# Altium PCB Badge.PcbDoc (continued)
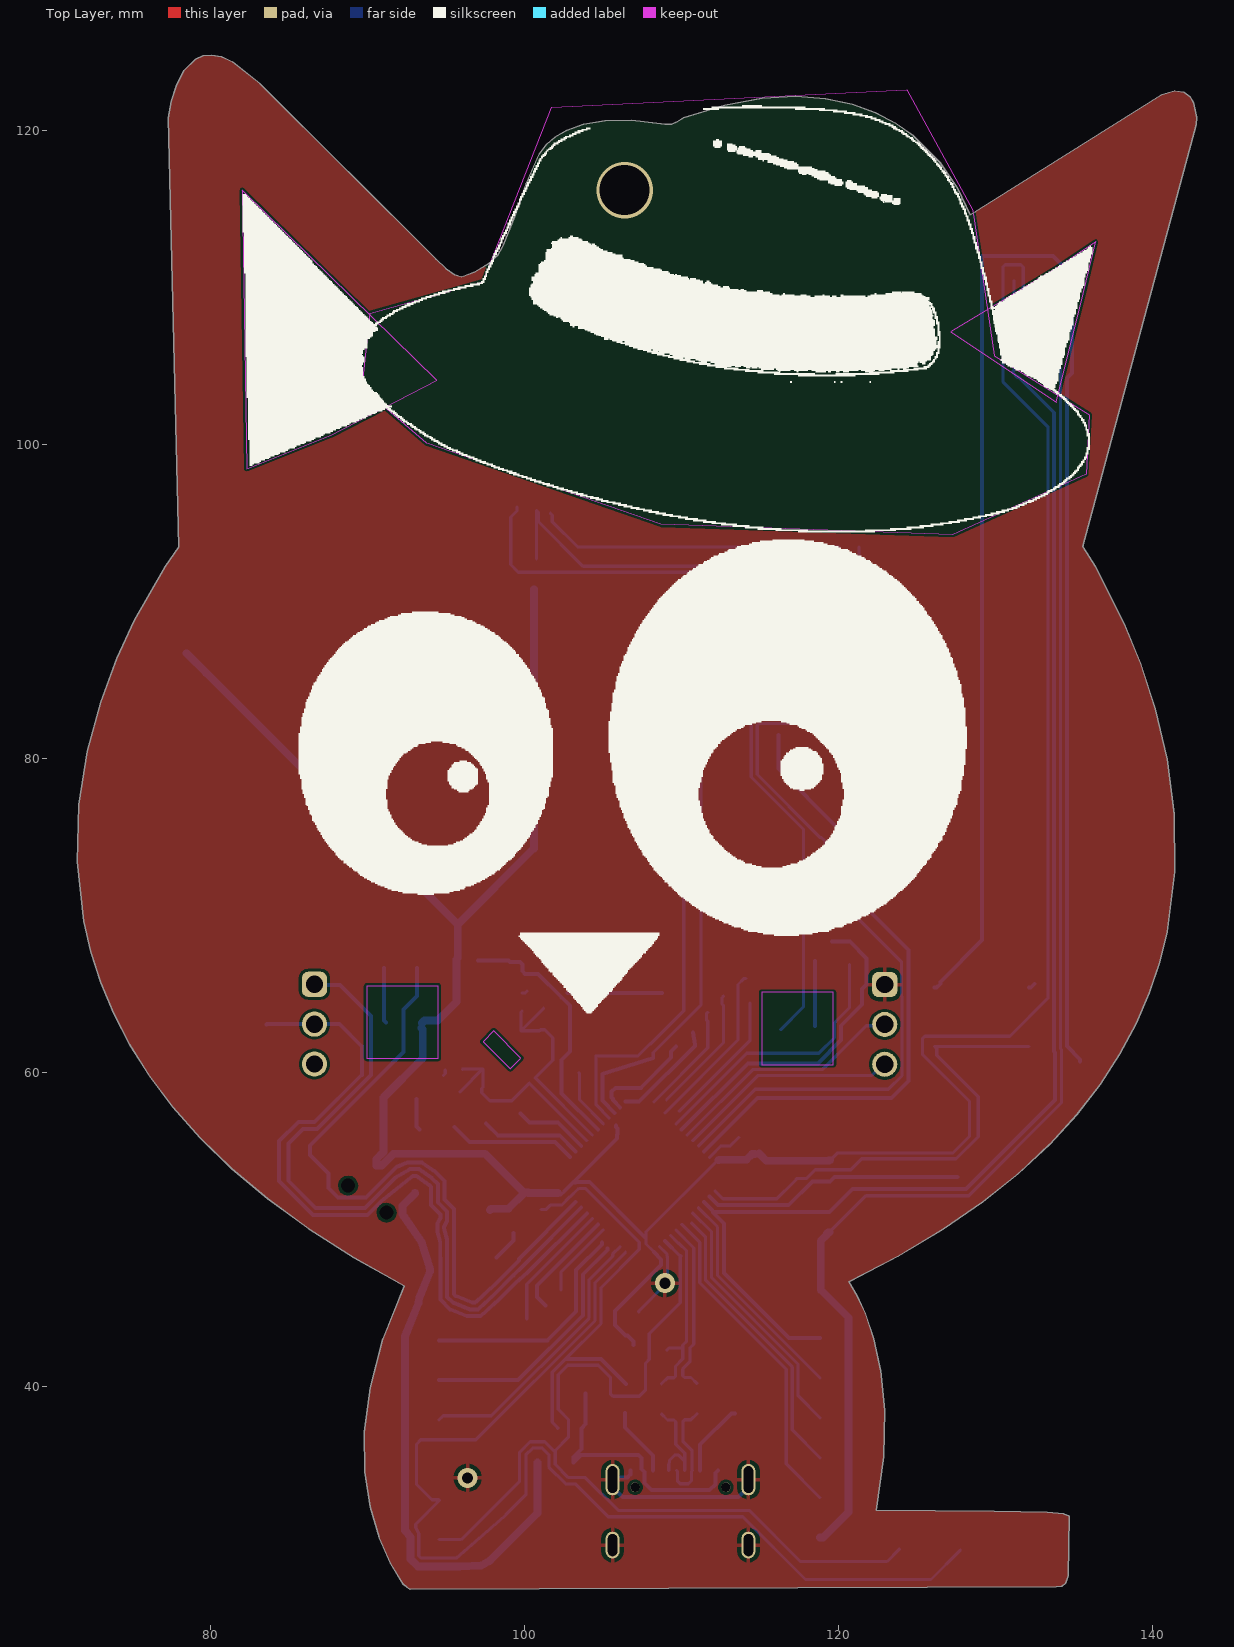
[diagram p0: Top Layer view]
## Part data
C17: library part CMP-2100-03602-3, "CAP CER 0.022UF 50V X7R 0603", Capacitance=22nF, Case Code (Imperial)=0603, Case Code (Metric)=1608, Dielectric=X7R, Dielectric Material=Ceramic, Insulation Resistance=100GR, Max Operating Temperature=125°C, Min Operating Temperature=-55°C, Package Quantity=1, Tolerance=10%, Voltage=50V, Case/Package=0603, Depth=0.8mm, Halogen Free="Halogen Free", Height=0.8mm, Lead Free="Lead Free", Length=1.6mm, Mount="Surface Mount", Number of Pins=2, Packaging="Tape and Reel", Radiation Hardening=No, REACH SVHC="No SVHC", Resistor Type=Ceramic, RoHS Compliant=Yes, Series=CC, Termination=SMD/SMT, Thickness=0.035inch, Voltage Rating=50V, Voltage Rating (DC)=50V, Width=0.031inch
C20: library part CMP-1035-02737-2, "CAP CER 1UF 16V X5R 0603", Capacitance="1 uF", Manufacturer=YAGEO, Manufacturer Part Number=CC0603KRX5R7BB105, Package=CC0603-DA, Temperature="-55°C to +125°C", Temperature Characteristic=X5R, Temperature Coefficient=15%, Temperature Range High=+125°C, Temperature Range Low=-55°C, Tolerance=0.1, Voltage="16 V", Automotive=No, Category=Cap, ComponentLink2Description=Datasheet, ComponentLink2URL=http://www.yageo.com/documents/recent/UPY-GPHC_X7R_6.3V-to-50V_18.pdf, Device Class L1="Passive Components", Device Class L2=Capacitors, Device Class L3="Ceramic Capacitors", Digikey Description="CAP CER 1UF 16V X5R 0603", Footprint Url=http://www.yageo.com/exep/pages/download/literatures/UPY-C_GEN_24.pdf, Height=0.9mm, Lead Free=Yes, Material=Ceramic, Mouser Description="Multilayer Ceramic Capacitors MLCC - SMD/SMT 1.0uF 16V X5R 10%", Octopart=https://octopart.com/cc0603krx5r7bb105-yageo-8376530, RoHS=TRUE, Voltage Rating="16 V"
C21 C26: library part CMP-2000-06100-1, "Chip Capacitor, 20 pF, +/- 5%, 50 V, -55 to 85 degC, 0603 (1608 Metric), RoHS, Tape and Reel", Capacitance=20pF, Case Size/Dimension=0603, Dielectric=C0G, Manufacturer="Samsung Electro-Mechanics", Package Description="2-Pin Surface Mount Device, Body 1.60 x 0.80 mm", Rated Voltage=50V, Tolerance (%)=±5%, Datasheet URL=http://www.samsungsem.com/kr/support/product-search/mlcc/__icsFiles/afieldfile/2016/08/18/S_CL10C200JB8NNNC.pdf, Datasheet Version=06/2016, Manufacturer URL=http://www.samsungsem.com/global/index.jsp, Mounting Technology=SurfaceMount, Package Reference=0603
C22 C23 C24 C25: library part CMP-2000-05002-2, "CAP CER 0.1UF 16V X7R 0603", Capacitance="100 nF", Manufacturer=YAGEO, Manufacturer Part Number=CC0603KRX7R7BB104, Package=CC0603-DA, Temperature="-55°C to +125°C", Temperature Characteristic=X7R, Temperature Coefficient=15%, Temperature Range High=+125°C, Temperature Range Low=-55°C, Tolerance=0.1, Voltage="16 V", Automotive=No, Category=Cap, ComponentLink2Description=Datasheet, ComponentLink2URL=http://www.yageo.com/documents/recent/UPY-GPHC_X7R_6.3V-to-50V_18.pdf, Device Class L1="Passive Components", Device Class L2=Capacitors, Device Class L3="Ceramic Capacitors", Digikey Description="CAP CER 0.1UF 16V X7R 0603", Footprint Url=http://www.yageo.com/exep/pages/download/literatures/UPY-C_GEN_24.pdf, Height=0.9mm, Lead Free=Yes, Material=Ceramic, Mouser Description="Multilayer Ceramic Capacitor, CC Series, 0.1 - F, - 10%, X7R, 16 V, 0603 [1608 Metric]", Octopart=https://octopart.com/cc0603krx7r7bb104-yageo-192941, RoHS=TRUE, Voltage Rating="16 V"
D1 D3 D4 D8: library part CMP-1426-00007-2, Case Code (Imperial)=0805, Case Code (Metric)=2012, Color=Green, Forward Current=100mA, Forward Voltage=3.2V, Max Junction Temperature (Tj)=95°C, Max Operating Temperature=85°C, Max Reverse Voltage (DC)=5V, Min Operating Temperature=-40°C, Power Dissipation=105mW, Test Current=20mA, Case/Package=0805, Dominant Wavelength=525nm, Height=700µm, Length=2mm, Lens Style="Clear, Rectangular", Luminous Intensity=450mcd, Mount="Surface Mount", NexarPartId=29717780, Packaging="Tape and Reel", Peak Wavelength=515nm, REACH SVHC=Unknown, Reverse Voltage=5V, RoHS=Compliant, Viewing Angle=140°, Wavelength=520nm, Width=1.25mm
J1: library part CMP-002-00071-1, "USB Connectors 24 Receptacle 1 8.94*7.3mm RoHS", Case/Package=Package, Availability="Not in stock", Check_prices=https://www.snapeda.com/parts/TYPE-C-31-M-12/HRO+Electronics+Co.%252C+Ltd./view-part/?ref=eda, Component Type=Standard, Design Item ID=TYPE-C-31-M-12, MF="HRO Electronics Co., Ltd.", MP=TYPE-C-31-M-12, Pins=16, Price=None, SnapEDA_Link=https://www.snapeda.com/parts/TYPE-C-31-M-12/HRO+Electronics+Co.%252C+Ltd./view-part/?ref=snap, Source=TYPE-C-31-M-12.SchLib
J2 J3 J4 J5 J6: library part Solder-Bridge-OPEN
LED1 LED2: JLCPCB Part Class="Extended Part", LCSC Part Name=RGB三色, Manufacturer=欧思科光电, Add into BOM=yes, Convert to PCB=yes, Datasheet=https://atta.szlcsc.com/upload/public/pdf/source/20210825/5EE39C41748E35606331A2C5A4C913B6.pdf, Device=SK6812SIDE-A-RVS, Manufacturer Part=SK6812SIDE-A-RVS, Supplier=LCSC, Supplier Footprint=SMD,2x4mm, Supplier Part=C2890037, Symbol=SK6812SIDE-A-RVS
P3 P4: library part CMP-1502-01062-2, Color=Black, Contact Resistance=20mΩ, Current Rating=3A, Max Operating Temperature=105°C, Min Operating Temperature=-40°C, Operating Supply Voltage=250V, Connector Type="Male Pin", Contact Material=Copper, Contact Mating Length=5.9944mm, Contact Plating=Gold, Gender=Male, Height=8.94mm, Lead Free="Lead Free", Lead Pitch=2.54mm, Mount="Through Hole", NexarPartId=32855521, Number of Contacts=3, Number of Pins=3, Number of Positions=3, Number of Rows=1, Orientation=Vertical, Packaging=Bulk, Pitch=2.54mm, REACH SVHC=Unknown, RoHS=Compliant, Termination=Solder, Voltage Rating=250V
R1 R2 R12 R13 R14 R17: library part CMP-2100-03664-2, "RES 10K OHM 1% 1/10W 0603", Case Code (Imperial)=0603, Case Code (Metric)=1608, Max Operating Temperature=155°C, Max Power Dissipation=100mW, Min Operating Temperature=-55°C, Resistance=10kR, Resistance Tolerance=1%, Resistor Type="Thick Film", Temperature Coefficient=100ppm/°C, Voltage Rating=75V, Voltage Rating (DC)=50V, Case/Package=0603, Construction=Rectangular, Depth=0.8mm, Features="Moisture Resistant", Height=0.45mm, Lead Free="Lead Free", Lead Pitch=0.3mm, Length=1.6mm, Military Standard=Not, Number of Pins=2, Number of Terminations=2, Packaging="Tape and Reel", Power Rating=100mW, RoHS Compliant=Yes, Series=RC, Size Code=0603, Termination=SMD/SMT, Tolerance=1%, Weight=7.1E-05oz, Width=0.8mm
R3 R5 R6 R15: library part CMP-03412-031818-1, "RES SMD 470 OHM 1% 1/8W 0805", Manufacturer=Yageo, Manufacturer Part Number=RT0805FRE07470RL, Package=RT0805, Power Rating=0.125W, Resistance=470Ω, Temperature="-55°C to +155°C", Temperature Coefficient="50 ppm/°C", Temperature Range High=+155°C, Temperature Range Low=-55°C, Tolerance=0.0001, Voltage Rating=150V, Automotive=No, Category=Res, ComponentLink2Description=Datasheet, ComponentLink2URL=http://www.yageo.com/documents/recent/PYu-RT_1-to-0.01_RoHS_L_9.pdf, Composition="Thin Film", Device Class L1="Passive Components", Device Class L2=Resistors, Device Class L3="Chip SMD Resistors", Digikey Description="RES SMD 470 OHM 1% 1/8W 0805", Footprint Url=http://www.yageo.com/exep/pages/download/literatures/PYu-R_Mount_10.pdf, Height=0.6mm, Ipc Land Pattern Name=RESC200125X50, Lead Free=Yes, Mouser Description="High Precision-High Stability Chip Resistor Thin Film 0805 470Ohm 1% Paper T/R", Octopart=https://octopart.com/rt0805fre07470rl-yageo-39983328, RoHS=TRUE, Series=RT
R4: library part CMP-03412-015060-1, "RES SMD 100K OHM 1% 1/10W 0603", Manufacturer=Yageo, Manufacturer Part Number=RT0603FRE07100KL, Package=RT0603, Power Rating=0.1W, Resistance=100KΩ, Temperature="-55°C to +155°C", Temperature Coefficient="50 ppm/°C", Temperature Range High=+155°C, Temperature Range Low=-55°C, Tolerance=0.01, Voltage Rating=75V, Automotive=No, Category=Res, ComponentLink2Description=Datasheet, ComponentLink2URL=http://www.yageo.com/documents/recent/PYu-RT_1-to-0.01_RoHS_L_9.pdf, Composition="Thin Film", Device Class L1="Passive Components", Device Class L2=Resistors, Device Class L3="Chip SMD Resistors", Digikey Description="RES SMD 100K OHM 1% 1/10W 0603", Footprint Url=http://www.yageo.com/exep/pages/download/literatures/PYu-R_Mount_10.pdf, Height=0.55mm, Ipc Land Pattern Name=RESC16080X45, Lead Free=Yes, Mouser Description="High Precision-High Stability Chip Resistor Thin Film 0603 100kOhm 1% Paper T/R", Octopart=https://octopart.com/rt0603fre07100kl-yageo-41455806, RoHS=TRUE, Series=RT
R7: library part 0805W8F200JT5E, "Resistor", Manufacturer_Name="UNI-ROYAL(Uniroyal Elec)", Height=0.65mm, Manufacturer_Part_Number=0805W8F1501T5E
R8 R9 R10 R11: "Resistor", Manufacturer_Name="UNI-ROYAL(Uniroyal Elec)", Height=0.65mm
  R8 R10: Datasheet Link=https://datasheet.lcsc.com/lcsc/2206010030_UNI-ROYAL-Uniroyal-Elec-0805W8F5101T5E_C27834.pdf, Manufacturer_Part_Number=0805W8F5101T5E
  R9 R11: Datasheet Link=https://datasheet.lcsc.com/lcsc/2206010200_UNI-ROYAL-Uniroyal-Elec-0805W8F200JT5E_C17544.pdf, Manufacturer_Part_Number=0805W8F200JT5E
R16: library part CMP-062-000000-1, "1k +/-1% 0.1W +/-100ppm/ 0603 Chip Resistor - Surface Mount", Manufacturer_Name="UNI-ROYAL(Uniroyal Elec)", Datasheet Link=https://datasheet.lcsc.com/szlcsc/Uniroyal-Elec-0603WAF1001T5E_C21190.pdf, Design Item ID=0603WAF1001T5E, Height=0.55mm, Manufacturer_Part_Number=0603WAF1001T5E, Source=SamacSys.SchLib
S1 S2 S3 S5: library part CMP-033-000000-1, "SPST 50mA @ 12VDC Top Actuated Round Button 160gf SMD Tactile Switches RoHS", Package=None, Availability=Unavailable, Component Type=Standard, Design Item ID=TS-1187A-B-A-B, MP=TS-1187A-B-A-B, Pin Count=4, Price=None, Source=TS-1187A-B-A-B.SchLib
S4: "Switch", Manufacturer_Name="G-Switch Electronic", Datasheet Link=https://datasheet.lcsc.com/lcsc/2012062037_G-Switch-MK-12C02-G020_C963206.pdf, Height=1.45mm, Manufacturer_Part_Number=MK-12C02-G020
U1: library part CMP-019-00049-1, "Fixed Positive LDO Regulator, 3.3V, 1.3V Dropout, PDSO3", Case/Package=SOP, Pins=3, RoHS Compliant=Yes
U5: library part CMP-0237-00215-3, "ARM Cortex-M3 32-bit MCU, 64 KB Flash, 20 KB Internal RAM, 37 I/Os, 48-pin LQFP, -40 to 85 degC, Tray", I/Os (High Current)=37, Operating Frequency(F) (Processor speed) (MHz)=72, Supply Voltage(Vcc) min (V)=2, A/D Converter="2x12-bit (10 Channel)", ComponentLink1Description="Manufacturer URL", ComponentLink1URL=http://www.st.com/web/en/home.html, ComponentLink2Description=Datasheet, ComponentLink2URL=http://www.st.com/st-web-ui/static/active/en/resource/technical/document/datasheet/CD00161566.pdf, ComponentLink3Description="Package Specification", ComponentLink3URL=http://www.st.com/st-web-ui/static/active/en/resource/technical/document/datasheet/DM00058181.pdf, Core="ARM Cortex-M3", DatasheetVersion="Rev. 16", FLASH Size (Prog) (kB)=64, Internal RAM Size (kB)=20, Mounting Technology="Surface Mount", PackageDescription="48-Pin Low Profile Quad Flat Package, 7 x 7 mm Body, 0.5 mm Pitch", PackageReference=LQFP48, PackageVersion="Rev. 6, 06/2013", Packing=Tray, PartNumber=STM32F103C8T6
Y1: library part CMP-069-000002-4, "8MHz 20pF ±10ppm ±50ppm SMD5032-2P Crystals ROHS", Mfr_Name=YXC, Copyright="Copyright (C) 2024 Ultra Librarian. All rights reserved.", Design Item ID=X50328MSB2GI, Manufacturer_Part_Number=X50328MSB2GI, RefDes=RefDes, Source=X50328MSB2GI.SchLib, Type=DEV

## Free pads (board coordinates)
  rect 3x3 smd far side: 2(78.45,86.675) 2(78.525,82.7)
  rect 1x0.75 smd far side rot 45: 2(97.538,56.733) 2(99.725,57.35) 2(100.275,44.075) 2(101.325,45.125) 2(102.3,46.125) 2(109.55,61.7) 2(110.65,62.8) 2(111.65,63.8) 2(112.65,64.825)
  rect 2x2 smd far side: 2(103.875,39.525)
  rect 1x0.75 smd far side rot 135: 2(108.175,60.9)
  rect 1x0.75 smd far side: 2(114.075,65.95) 2(119.1,68.475)
  rect 0.75x1 smd far side: 2(114.35,64.4) 2(135.375,60.675)
  rect 1.2x1.6 smd far side paste+0 mask+0.051: 2(121.225,83.55)
  rrect70% 3x3 smd far side paste+0 mask+0: 2(123.85,29.6) 2(127.746,29.55) 2(131.575,29.55)

## Via types
v1: diameter 1.27, hole 0.711, Top Layer to Bottom Layer, tented both sides, 2 vias
v2: diameter 3.6, hole 3.2, Top Layer to Bottom Layer, 1 vias

## Nets (pads, with @x,y where several pads share a name; then routed paths per layer and width w, separated by ;. In a path a pad name is that pad's centre, name@x,y a point inside that pad or via, vN(x,y) a via of type N, cw(c..) or ccw(c..) an arc to the next point about the centre after c; other vN are vias at no path point)
3V3_BATT: S4.1
3V3_USB: S4.3 U1.2 | length 37.4
  Bottom Layer w0.5: S4.3 93.001,52.269 92.205,51.474 92.205,50.952 93.421,49.161 93.448,49.121 93.932,47.537 93.953,47.465 93.953,47.293 93.27,45.609 93.225,45.295 92.375,43.2 92.375,30.938 92.375,30.804 92.722,30.346 92.722,28.982 93.192,28.512 95.858,28.512 97.224,28.574 97.75,28.85 97.896,28.996 100.8,31.9 U1.2
5V: C17.1 J1.A4_B9 J1.B4_A9 pad.2@103.875,39.525 U1.3 | length 16.8
  Bottom Layer w0.254: U1.3 103.09,35.48 103.6,35.99 C17.1 103.873,37.573 103.873,38.137 103.875,38.139 pad.2@103.875,39.525 ; U1.3@103.09,35.138 103.508,35.556 103.526,35.556 103.57,35.6 107.253,35.6 107.431,35.422 107.431,34.704 107.609,34.526 107.609,33.816 108.056,33.369 111.769,33.369 112.142,33.742 112.142,34.447 J1.A4_B9
BOOT0: P4.2 R4.1 U5.44 | length 49.6
  Bottom Layer w0.254: R4.1 83.575,63.05 P4.2 88.185,63.05 89.613,61.623 89.613,59.826 86.612,56.825 85.575,56.825 84.35,55.6 84.35,53.05 86.5,50.9 89.885,50.9 89.99,50.9 90.875,51.785 92.865,53.384 93.086,53.384 93.922,52.798 94.03,52.691 94.03,51.527 94.627,50.929 94.627,50.709 94.426,50.349 94.425,50.028 94.425,49.923 94.426,49.836 94.431,49.817 94.612,49.163 94.627,47.295 94.627,45.498 95.241,44.884 96.327,44.449 97.192,44.449 98.393,45.55 99.405,46.56 100.168,47.224 U5.44
BOOT1: P3.3 U5.20 | length 14.2
  Bottom Layer w0.203: U5.20 114.84,59.775 122.083,59.775 122.778,60.47 P3.3@122.925,60.47
BTN1: R1.2 S1.C S1.D U5.26 | length 16.8
  Bottom Layer w0.254: U5.26 111.763,52.063 112.305,51.521 116.811,51.521 118.313,53.023 R1.2 119.452,53.023 119.728,53.3 S1.D S1.C
BTN2: R2.2 S3.C S3.D U5.25 | length 31.5
  Bottom Layer w0.203: U5.25 112.126,52.417 112.618,51.925 116.052,51.925 R2.2 117.353,53.226 117.945,53.226 118.489,53.771 120.755,53.771 121.456,54.472 127.467,54.472 128.875,55.88 128.875,58.428 126.239,61.064 126.239,61.486 S3.D S3.C
BTN3: P1.6 R12.2 S5.C S5.D U5.27 | length 90.9
  Bottom Layer w0.203: S5.C 131.1,104.525 131.373,104.252 131.463,104.252 133.718,101.997 133.718,101.94 ; S5.C@131.15,104.65 S5.D@131.15,110.4
  Bottom Layer w0.254: U5.27 111.409,51.71 111.916,51.203 112.027,51.092 119.417,51.092 120.875,52.55 128.102,52.55 133.775,58.223 133.775,61.259 133.718,61.316 133.718,101.94 ; 111.974,51.039 112.675,50.338 112.675,47.211 116.831,43.055 P1.6
CONN_USB_N: J1.A7 J1.B7 R11.1 | length 6.9
  Bottom Layer w0.2: J1.A7 109.715,34.57 109.715,33.961 109.901,33.775 110.429,33.775 110.615,33.961 110.615,34.57 J1.B7 110.642,34.643 110.642,35.909 110.068,36.483 110.068,37.733 110.185,37.85 110.575,37.85 R11.1
CONN_USB_P: J1.A6 J1.B6 R9.1 | length 6.3
  Bottom Layer w0.2: R9.1 109.086,37.835 109.496,37.835 109.614,37.718 109.614,36.295 110.188,35.721 110.188,35.279 110.188,34.643 J1.A6 ; J1.B6 109.165,35.04 109.215,35.09 109.215,35.279 109.536,35.6 109.794,35.6 110.115,35.279
GND: C17.2 C20.2 C21.1 C22.2 C23.2 C24.2 C25.2 C26.1 J1.A1_B12 J1.B1_A12 J1.S1 J1.S2 J1.S3 J1.S4 J2.2 LED1.4 LED2.4 P2.3 P3.1 pad.2@78.525,82.7 pad.2@131.575,29.55 pad.2@135.375,60.675 R4.2 R8.1 R10.2 R16.2 S1.A S1.B S2.A S2.B S3.A S3.B S5.A S5.B U1.1 U5.8 U5.23 U5.35 U5.47 | length 156.1
  Bottom Layer w0.203: C21.1@94.819,59.793 94.929,59.903 C21.1@94.929,60.113 ; C26.1@99.815,65.034 100.025,65.034 C26.1@100.135,65.145 ; C24.2 101.34,51.235 101.63,51.525 102.335,51.525 102.873,52.063 102.899,52.063 103.385,52.55 103.406,52.55 103.445,52.589 103.848,52.589 107.283,49.154 107.283,48.704 104.85,46.271 104.85,43.975 102.611,41.736 101.75,40.875 101.75,37.7 102.1,37.35 C17.2 ; C22.2 103.48,59.934 103.48,58.222 U5.8 ; J1.S4 J1.S4@105.62,29.9 ; C25.2 107.25,44.775 108.925,46.45 v1(108.925,46.55) 109.086,46.711 109.086,48.235 109.047,48.274 109.047,48.413 U5.35 ; U5.23 111.773,54.574 112.496,55.297 113.086,55.297 C23.2
  Bottom Layer w0.254: 102.611,41.736 104.839,41.736 R10.2 ; J1.B1_A12 106.715,34.35 106.542,34.177 105.727,34.177 J1.S2 105.59,33.565 106.215,32.94 113.615,32.94 114.24,33.565 J1.S1 ; S3.B 126.225,65.375 126.473,65.623 126.473,65.748 129.133,68.408 129.133,111.975 133.65,111.975 134.85,110.775 S5.B 134.85,104.525 134.525,104.2 134.525,61.65 135.375,60.8 pad.2@135.375,60.675 ; S3.A 132.225,65.375 S3.A@132.473,65.623
  other v1: 96.35,34.15
HAT_LEDS: pad.2@108.175,60.9 R15.1 U5.10 | length 36
  Bottom Layer w0.203: pad.2@108.175,60.9 108.175,61.246 111.226,64.298 111.226,88.851 111.575,89.2 R15.1
  Bottom Layer w0.254: U5.10 104.944,58.172 104.944,59.869 pad.2@108.175,60.9
LED_CHEEK_L: R5.2 U5.46 | length 44.3
  Bottom Layer w0.254: R5.2 93.125,64.831 92.275,63.981 92.275,61.275 86.325,55.325 86.325,54.719 87.5,53.544 87.5,52.6 88.1,52 89.875,52 91.758,53.883 91.832,53.957 92.51,54.242 93.441,54.242 94.278,53.656 94.888,53.046 94.888,51.883 95.485,51.285 95.485,45.854 95.56,45.779 95.597,45.742 96.682,45.307 96.836,45.307 96.91,45.381 98.055,46.447 99.615,48.007 99.615,48.086 U5.46
LED_CHEEK_R: R6.2 U5.17 | length 17.4
  Bottom Layer w0.203: U5.17 114.139,61.195 118.726,61.195 119.725,62.194 119.725,63.127 120.675,64.077 R6.2
Net*_1: *.1 J2.1 | length 2.6
  Bottom Layer w0.203: *.1 123.815,83.632 J2.1@123.85,83.597
Net*_2: *.2 J3.1 pad.2@121.225,83.55 | length 5.2
  Bottom Layer w0.203: J3.1@121.122,88.7 121.122,86.378 *.2 pad.2@121.225,83.55
Net*_3: *.3 J4.1 | length 2.6
  Bottom Layer w0.203: *.3 118.735,83.712 J4.1@118.775,83.672
Net*_4: *.4 J5.1 | length 2.6
  Bottom Layer w0.203: J5.1@116.15,83.622 116.15,86.18 *.4
NetD1_1: D1.1 R3.1 | length 2
  Bottom Layer w0.254: D1.1 93.1,56.525 R3.1
NetD3_1: D3.1 R5.1 | length 3.5
  Bottom Layer w0.254: R5.1 91.025,63.275 D3.1
NetD4_1: D4.1 R6.1 | length 4.1
  Bottom Layer w0.254: D4.1@118.475,62.925 R6.1@118.475,67.075
NetD8_1: D8.1 R16.1 | length 2
  Bottom Layer w0.254: R16.1@98.192,48.183 99.267,49.258 D8.1
NetJ1_A5: J1.A5 R8.2 | length 4.7
  Bottom Layer w0.254: J1.A5 111.165,36.265 113.15,38.25 R8.2
NetJ1_B5: J1.B5 R10.1 | length 4.4
  Bottom Layer w0.254: R10.1@106.391,38.275 106.391,37.358 108.165,35.584 J1.B5
NetJ6_2: J6.2 LED1.2 LED2.2 | length 26.5
  Bottom Layer w0.203: J6.2@100.75,92.698 LED1.2 100.875,95.625 100.875,95.037 103.698,92.213 121.063,92.213 121.29,92.44 LED2.2
NetLED1_1: LED1.1 R15.2 | length 16.9
  Bottom Layer w0.203: LED1.1 99.499,95.752 99.1,95.353 99.1,92.325 99.59,91.835 111.108,91.835 111.226,91.717 111.226,91.649 111.575,91.3 R15.2
NetLED1_3: LED1.3 LED2.1 | length 19.5
  Bottom Layer w0.203: LED1.3 101.75,95.471 101.75,95.05 103.354,93.446 LED2.1
OSCIN: C21.2 U5.5 Y1.1 | length 13.8
  Bottom Layer w0.203: C21.2@95.879,58.732 95.879,58.751 Y1.1 ; Y1.1@96.035,60.182 96.053,60.2 Y1.1 ; U5.5 100.29,59.291 99.17,58.171 97.777,58.171 97.257,58.691 97.257,58.943 97.328,59.014 Y1.1
OSCOUT: C26.2 U5.6 Y1.2 | length 13.8
  Bottom Layer w0.203: Y1.2@99.824,63.881 99.753,63.81 Y1.2 ; C26.2@101.196,64.084 101.196,64.068 Y1.2 ; U5.6 100.662,59.626 101.782,60.746 101.782,62.176 101.262,62.696 101.009,62.696 100.938,62.624 Y1.2
PA1: pad.2@109.55,61.7 U5.11 | length 6.7
  Bottom Layer w0.254: U5.11 105.611,58.212 105.611,58.316 105.535,58.392 105.535,58.746 105.785,58.996 106.139,58.996 106.16,58.975 107.384,58.975 109.325,60.916 109.325,61.3 pad.2@109.637,61.612
PA2: pad.2@110.65,62.8 U5.12 | length 6.7
  Bottom Layer w0.254: U5.12 107.284,58.109 110.833,61.658 110.833,61.786 pad.2@110.704,62.503
PA3: pad.2@111.65,63.8 U5.13 | length 7.2
  Bottom Layer w0.203: U5.13 111.65,61.535 111.65,63.236 111.562,63.325 111.562,63.712 pad.2@111.65,63.8
PA4: pad.2@112.65,64.825 U5.14 | length 8.2
  Bottom Layer w0.203: U5.14@109.025,58.225 112.65,61.85 112.65,64.261 112.562,64.35 112.562,64.737 pad.2@112.65,64.825
PA5: pad.2@114.075,65.95 U5.15 | length 10.8
  Bottom Layer w0.203: U5.15 113.575,62.045 113.575,65.575 113.95,65.95 pad.2@114.075,65.95
PA6: pad.2@114.35,64.4 U5.16 | length 8.8
  Bottom Layer w0.203: U5.16@109.834,57.512 109.837,57.512 114.35,62.025 pad.2@114.35,64.4
PA8: P1.4 U5.29 | length 16.4
  Bottom Layer w0.203: U5.29 111.893,49.809 111.893,46.887 117.406,41.374 117.406,39.369 P1.4
PA15: P2.4 U5.38 | length 17.6
  Bottom Layer w0.203: P2.4 94.792,38.102 97.872,38.102 104.094,44.324 104.094,46.768 105.599,48.274 105.599,48.413 U5.38
PB0: pad.2@119.1,68.475 U5.18 | length 21
  Bottom Layer w0.254: U5.18 114.208,60.557 118.659,60.557 120.129,62.027 120.129,62.947 121.477,64.295 121.477,65.277 121.775,65.575 121.775,67.227 120.702,68.3 pad.2@119.575,68.3
PB1: P3.2 U5.19 | length 15.8
  Bottom Layer w0.203: U5.19 114.511,60.153 118.945,60.153 121.742,62.95 P3.2@123.25,62.95
PB3: P2.5 U5.39 | length 15.8
  Bottom Layer w0.254: P2.5 99.574,40.375 103.69,44.491 103.69,47.107 105.258,48.675 U5.39@105.258,48.775
PB4: P2.6 U5.40 | length 14.6
  Bottom Layer w0.254: P2.6 101.44,42.915 103.261,44.736 103.261,47.386 104.904,49.029 U5.40@104.904,49.129
PB5: pad.2@102.3,46.125 U5.41 | length 4.9
  Bottom Layer w0.203: pad.2@102.3,46.125 102.3,47.235 U5.41
PB8: P4.1 U5.45 | length 48.1
  Bottom Layer w0.254: P4.1 86.64,65.55 88.225,65.55 90.2,63.575 90.2,59.807 86.768,56.375 85.875,56.375 84.95,55.45 84.95,53.075 86.675,51.35 89.833,51.35 91.737,53.254 92.688,53.813 93.263,53.813 94.1,53.227 94.459,52.869 94.459,51.705 95.056,51.107 95.056,50.531 94.855,50.171 94.855,50.066 94.855,50.035 95.04,49.342 95.041,49.222 95.056,47.473 95.056,45.676 95.419,45.313 96.504,44.878 97.014,44.878 98.084,45.869 99.261,47.046 cw(c99.44,46.866) 99.264,47.049 99.884,47.647 U5.45
PB15: P1.5 U5.28 | length 14.1
  Bottom Layer w0.203: U5.28 112.271,50.138 112.271,47.044 P1.5
PC13: R3.2 U5.2 | length 8.1
  Bottom Layer w0.254: R3.2@95.532,56.495 96.483,55.544 101.916,55.544 U5.2
PC14: pad.2@97.538,56.733 U5.3 | length 6.4
  Bottom Layer w0.254: pad.2@97.538,56.733 98.298,55.973 102.194,55.973 U5.3
PC15: pad.2@99.725,57.35 U5.4 | length 4.7
  Bottom Layer w0.254: pad.2@99.725,57.35 100.3,56.775 102.099,56.775 U5.4
RESET: C20.1 R17.2 S2.C S2.D U5.7 | length 22.4
  Bottom Layer w0.254: R17.2 98.95,67.1 C20.1 99.699,67 99.848,66.851 99.848,66.425 100.025,66.248 100.852,66.248 102.337,64.763 102.875,64.225 102.875,61.3 102.35,60.775 102.35,58.645 U5.7 ; S2.D S2.C
RX1: P1.2 U5.31 | length 21
  Bottom Layer w0.203: U5.31 111.137,49.151 111.137,46.574 116.65,41.06 116.65,35.045 P1.2
SCL1: pad.2@101.325,45.125 U5.42 | length 7
  Bottom Layer w0.254: pad.2@101.325,45.125 100.775,45.675 100.775,46.417 U5.42
SCL2: J4.2 R14.2 U5.21 | length 45.4
  Bottom Layer w0.203: U5.21 114.672,58.9 123.15,58.9 124.021,59.771 124.021,64.804 124.002,64.823 124.002,66.998 119.127,71.873 R14.2 119.127,74.702 118.899,74.929 118.822,74.929 114.8,78.952 114.8,82.081 114.919,82.2 118.088,82.2 118.277,82.011 118.277,81.83 118.594,81.513 J4.2@118.775,81.513
SDA1: pad.2@100.275,44.075 U5.43 | length 8.1
  Bottom Layer w0.203: pad.2@100.125,44.275 100.125,46.474 U5.43
SDA2: J5.2 R13.2 U5.22 | length 40.4
  Bottom Layer w0.254: U5.22 114.829,58.35 123.35,58.35 124.425,59.425 124.425,67.778 120.132,72.071 120.056,72.071 119.853,72.273 R13.2 119.853,75.622 116.15,79.325 J5.2@116.15,81.463
SWDCLK: P2.2 pad.2@127.746,29.55 U5.37 | length 71.9
  Bottom Layer w0.203: P2.2 94.089,32.755 93.1,33.744 93.1,36.3 93.375,36.575 96.879,36.575 104.472,44.168 104.472,46.578 U5.37 ; P2.2@94.565,32.715 93.11,31.26 93.05,31.2 93.05,31.032 93.248,30.564 93.248,29.2 93.41,29.038 95.64,29.038 98.703,31.713 98.822,31.832 100.067,33.078 100.067,35.62 100.497,36.049 101.103,36.049 101.533,35.62 101.533,34.838 102.609,33.762 103.216,33.762 105.303,31.675 113.875,31.675 117.875,27.675 125.871,27.675 pad.2@127.746,29.55
SWDIO: P2.1 pad.2@123.85,29.6 U5.34 | length 60.7
  Bottom Layer w0.203: P2.1 95.94,30.215 99.664,33.939 99.664,35.787 100.329,36.452 101.271,36.452 101.936,35.787 ; 109.9,48.267 109.9,45.316 107.925,43.341 107.925,41.694 107.694,41.463 107.694,39.753 107.29,39.348 105.61,39.348 105.448,39.51 105.448,40.556 104.679,41.325 102.735,41.325 102.128,40.718 102.128,38.513 102.777,37.865 102.777,36.735 101.936,35.895 101.936,35.787 ; pad.2@123.85,29.6 123.075,28.825 117.55,28.825 114.296,32.079 105.938,32.079 103.851,34.166 102.776,34.166 101.936,35.006 101.936,35.787
  Bottom Layer w0.254: U5.34 109.9,48.267
TX1: P1.3 U5.30 | length 18.3
  Bottom Layer w0.203: U5.30@110.631,50.364 111.515,49.48 111.515,46.73 117.028,41.217 117.028,37.207 P1.3
USB_N: R11.2 U5.32 | length 11.2
  Bottom Layer w0.2: U5.32 109.639,49.929 110.123,49.444 110.123,49.425 110.756,48.793 110.756,42.665 110.516,42.425 110.516,41.549 110.057,41.091 110.057,40.657 110.174,40.54 110.585,40.54 R11.2
USB_P: R7.1 R9.2 U5.33 | length 11.9
  Bottom Layer w0.2: R9.2 109.096,40.525 109.486,40.525 109.603,40.642 109.603,41.279 110.062,41.737 110.062,42.425 ; R7.1@109.037,42.288 109.173,42.425 110.062,42.425 ; U5.33 109.299,49.589 109.783,49.104 109.802,49.104 110.302,48.604 110.302,42.853 110.062,42.613 110.062,42.425
VCC3V3: C22.1 C23.1 C24.1 C25.1 D1.2 D3.2 D4.2 D8.2 J3.2 J6.1 P1.1 pad.2@78.45,86.675 R1.1 R2.1 R7.2 R12.1 R13.1 R14.1 R17.1 S4.2 U5.9 U5.24 U5.36 U5.48 | length 362.1
  Bottom Layer w0.203: 102.104,52.296 102.242,52.158 102.273,52.158 U5.48 ; C22.1 107.207,61.03 107.972,61.795 108.02,61.795 110.125,63.9 110.125,90.056 110.244,90.175 113.172,90.175 114.422,88.925 ; C22.1@104.541,60.995 104.541,57.906 U5.9@105.38,57.067 ; U5.36 108.225,48.541 107.717,49.048 107.717,49.823 112.308,54.414 U5.24@112.343,54.379 ; D4.2 117.747,64.147 117.747,72.275 ; R13.1 118.425,72.275 117.747,72.275 ; J3.2@118.963,88.7 118.738,88.925 114.422,88.925 ; R12.1 121.727,52.125 128.275,52.125 134.179,58.029 134.179,61.426 134.121,61.483 134.121,104.831 134.003,104.95 132.066,104.95 131.752,105.265 131.752,111.265 131.59,111.427 130.61,111.427 130.448,111.265 130.448,103.977 133.314,101.111 133.314,64.689 130.902,62.277 125.485,62.277 125.323,62.115 125.323,61.135 128.327,58.132 128.327,55.903 127.274,54.85 119.925,54.85 R1.1@119.452,54.377 ; 114.422,88.925 114.422,78.795 117.747,75.47 117.747,72.275
  Bottom Layer w0.254: U5.48 102.535,52.417 103.072,52.954 103.233,52.954 103.272,52.993 104.135,52.993 107.692,49.436 ; 103.19,53.075 105.869,55.754 105.869,56.034 105.894,56.059 105.894,56.412 105.818,56.489 U5.9@105.818,56.589 ; R7.2 106.925,42.85 106.552,43.223 106.421,43.223 105.75,43.894 105.75,44.775 108.681,47.706 108.681,48.071 U5.36
  Bottom Layer w0.5: pad.2@78.453,86.675 78.453,86.672 79.7,85.425 79.703,85.425 95.728,69.4 ; D3.2@93.424,62.801 93.5,62.725 93.5,60.875 91,58.375 D1.2 91,54.902 90.543,54.445 S4.2 90.87,54.033 91.631,54.794 97.462,54.794 C24.1 ; D3.2@93.45,63.125 93.607,63.282 94.457,63.282 95.648,64.473 R17.1 ; R17.1@95.648,67.177 95.728,67.256 95.728,69.4 ; D8.2 97.853,51.288 98.952,51.288 C24.1 ; J6.1@100.575,90.753 100.575,74.248 95.728,69.4 ; 102.104,52.296 100.243,52.296 100.207,52.331 99.995,52.331 C24.1 ; U5.24@112.343,54.379 112.379,54.414 114.113,54.414 114.468,54.77 C23.1 ; C23.1@114.928,54.805 115.381,54.352 R2.1 R1.1@119.375,54.352 ; P1.1 119,30.355 120.625,31.98 120.625,44.35 118.85,46.125 118.85,49.248 119.244,49.642 119.244,49.719 119.323,49.798 R12.1 ; R1.1 R1.1@119.452,54.377
pads on no net: J1. J1.A8 J1.B8 LED2.3 P4.3 S4.MH1 S4.MH2 S4.MP1 S4.MP2 S4.MP3 S4.MP4 U1.4 U5.1
copper on no net:
  other v2: 106.35,116.175

## Polygon pours and split planes (outlines as drawn)
GND on Top Layer "GND_L01_P004" (solid, pour order 4): 73.805,63.724 72.982,65.703 72.352,67.667 71.901,69.609 71.477,73.402 71.594,77.026 72.133,80.428 72.98,83.553 74.016,86.346 75.126,88.754 77.098,92.193 77.963,93.437 77.3,120.77 77.488,121.832 77.789,122.813 78.286,123.785 79.024,124.517 79.496,124.721 80.046,124.779 80.677,124.66 81.396,124.338 83.119,122.963 94.332,111.782 94.975,111.175 95.517,110.779 95.975,110.642 96.762,110.931 97.776,111.543 98.232,111.99 98.638,112.666 99.361,114.488 100.074,116.565 100.904,118.458 101.405,119.112 101.933,119.557 102.699,119.995 103.743,120.36 105.102,120.59 106.816,120.619 108.925,120.383 109.357,120.374 109.629,120.485 110.105,120.791 112.732,121.575 115.109,122.011 117.247,122.141 119.157,122.007 120.851,121.647 122.34,121.105 123.634,120.42 124.745,119.633 126.461,117.919 127.577,116.289 128.364,114.593 140.574,122.262 141.388,122.488 141.975,122.417 142.373,122.13 142.617,121.711 142.788,120.803 142.78,120.354 135.545,93.481 136.356,92.165 138.193,88.552 139.216,86.04 140.161,83.142 140.914,79.919 141.364,76.435 141.4,72.752 140.91,68.933 140.432,66.991 139.78,65.039 138.942,63.084 137.901,61.134 136.645,59.197 135.16,57.281 133.431,55.393 131.444,53.541 129.186,51.733 126.643,49.977 123.8,48.281 120.644,46.653 121.184,45.742 121.699,44.604 122.231,43.011 122.674,40.963 122.919,38.461 122.859,35.505 122.385,32.095 129.909,32.023 133.287,31.967 134.316,31.87 134.692,31.701 134.607,27.909 134.46,27.448 134.2,27.249 133.842,27.217 92.695,27.04 92.257,27.367 91.443,28.707 90.713,30.352 90.142,32.298 89.807,34.54 89.781,37.073 90.142,39.892 90.964,42.992 92.324,46.37 89.104,48.176 86.208,50.028 83.623,51.921 81.333,53.846 79.324,55.797 77.581,57.767 76.09,59.749 74.836,61.737
GND on Bottom Layer "3" (solid, pour order 2): 73.805,63.724 72.982,65.703 72.352,67.667 71.901,69.609 71.477,73.402 71.594,77.026 72.133,80.428 72.98,83.553 74.016,86.346 75.126,88.754 77.098,92.193 77.963,93.437 77.3,120.77 77.488,121.832 77.789,122.813 78.286,123.785 79.024,124.517 79.496,124.721 80.046,124.779 80.677,124.66 81.396,124.338 83.119,122.963 94.332,111.782 94.975,111.175 95.517,110.779 95.975,110.642 96.762,110.931 97.776,111.543 98.232,111.99 98.638,112.666 99.361,114.488 100.074,116.565 100.904,118.458 101.405,119.112 101.933,119.557 102.699,119.995 103.743,120.36 105.102,120.59 106.816,120.619 108.925,120.383 109.357,120.374 109.629,120.485 110.105,120.791 112.732,121.575 115.109,122.011 117.247,122.141 119.157,122.007 120.851,121.647 122.34,121.105 123.634,120.42 124.745,119.633 126.461,117.919 127.577,116.289 128.364,114.593 140.574,122.262 141.388,122.488 141.975,122.417 142.373,122.13 142.617,121.711 142.788,120.803 142.78,120.354 135.545,93.481 136.356,92.165 138.193,88.552 139.216,86.04 140.161,83.142 140.914,79.919 141.364,76.435 141.4,72.752 140.91,68.933 140.432,66.991 139.78,65.039 138.942,63.084 137.901,61.134 136.645,59.197 135.16,57.281 133.431,55.393 131.444,53.541 129.186,51.733 126.643,49.977 123.8,48.281 120.644,46.653 121.184,45.742 121.699,44.604 122.231,43.011 122.674,40.963 122.919,38.461 122.859,35.505 122.385,32.095 129.909,32.023 133.287,31.967 134.316,31.87 134.692,31.701 134.607,27.909 134.46,27.448 134.2,27.249 133.842,27.217 92.695,27.04 92.257,27.367 91.443,28.707 90.713,30.352 90.142,32.298 89.807,34.54 89.781,37.073 90.142,39.892 90.964,42.992 92.324,46.37 89.104,48.176 86.208,50.028 83.623,51.921 81.333,53.846 79.324,55.797 77.581,57.767 76.09,59.749 74.836,61.737

## Keep-outs
Top Layer:
  rectangle: 115.1,60.475 119.65,65.075
  rectangle: 89.925,60.875 94.475,65.475
  region: 82.175,116 82,116.175 82.275,98.425 87.648,100.552 94.4,104.05
  region: 133.842,102.65 135.575,109.575 136.35,112.875 133.925,111.225 127.123,107.139
  region: 135.966,101.858 135.75,98.075 127.258,94.233 108.656,94.885 93.75,100.05 89.646,103.579 90.142,108.325 97.347,110.346 101.7,121.45 124.329,122.573 128.543,114.879 129.909,105.625
Bottom Layer:
  rectangle: 115.075,60.4 119.625,65
  rectangle: 89.925,60.875 94.475,65.475
  region: 82.175,116 82,116.175 82.275,98.425 87.648,100.552 94.4,104.05
  region: 133.842,102.775 135.575,109.7 136.35,113 133.925,111.35 127.123,107.264
  region: 135.966,101.858 135.966,98.025 127.258,94.233 108.656,94.885 93.75,100.05 89.646,103.579 90.142,108.325 97.347,110.346 101.7,121.45 124.329,122.573 128.543,114.879 129.909,105.625

## Silkscreen, mask and mechanical layers (free items; w line width, h text height)
Top Overlay:
  drawing of 36 lines, arcs and shapes, not listed
Bottom Overlay:
  drawing of 3 lines, arcs and shapes, not listed
  text "JLCJLCJLCJLC" at 129.729,75.304 h1.52 r270
  text "GreyCat2K24 / by Hackin7" at 76.35,67.075 h2 r270
  text "PB14 / PB15 / PA8 / TX1 / RX1 / 3.3V" at 116.9,41.925 h1.52
  text "PB4 / PB3 / PA15 / GND / SWCLK / SWDIO" at 99.925,36.825 h1.52
Top Solder:
  region: 999 vertices and 2 holes, not listed, extent 90.345,94.894 135.026,120.902
Bottom Solder:
  drawing of 19 lines, arcs and shapes, not listed
Mechanical 1:
  lines w0.013: 89.104,48.176 86.208,50.028 83.623,51.921 81.333,53.846 79.324,55.797 77.581,57.767 76.09,59.749 74.836,61.737 73.805,63.724 72.982,65.703 72.352,67.667 71.901,69.609 71.477,73.402 71.594,77.026 72.133,80.428 72.98,83.553 74.016,86.346 75.126,88.754 77.098,92.193 77.963,93.437 77.3,120.77 77.488,121.832 77.789,122.813 78.286,123.785 79.024,124.517 79.496,124.721 80.046,124.779 80.677,124.66 81.396,124.338 83.119,122.963 94.332,111.782 94.975,111.175 95.517,110.779 95.975,110.642 96.762,110.931 97.776,111.543 98.232,111.99 98.638,112.666 99.361,114.488 100.074,116.565 100.904,118.458 101.405,119.112 101.933,119.557 102.699,119.995 103.743,120.36 105.102,120.59 106.816,120.619 108.925,120.383 109.357,120.374 109.629,120.485 110.105,120.791 112.732,121.575 115.109,122.011 117.247,122.141 119.157,122.007 120.851,121.647 122.34,121.105 123.634,120.42 124.745,119.633 126.461,117.919 127.577,116.289 128.364,114.593 140.574,122.262 141.388,122.488 141.975,122.417 142.373,122.13 142.617,121.711 142.788,120.803 142.78,120.354 135.545,93.481 136.356,92.165 138.193,88.552 139.216,86.04 140.161,83.142 140.914,79.919 141.364,76.435 141.4,72.752 140.91,68.933 140.432,66.991 139.78,65.039 138.942,63.084 137.901,61.134 136.645,59.197 135.16,57.281 133.431,55.393 131.444,53.541 129.186,51.733 126.643,49.977 123.8,48.281 120.644,46.653 121.184,45.742 121.699,44.604 122.231,43.011 122.674,40.963 122.919,38.461 122.859,35.505 122.385,32.095 122.385,32.095 129.909,32.023 133.477,32.023 133.7,31.8 134.226,31.8 134.389,31.637 134.607,31.419 134.607,31.143 134.607,27.909 134.46,27.448 134.2,27.249 133.842,27.217 92.695,27.04 92.257,27.367 91.443,28.707 90.713,30.352 90.142,32.298 89.807,34.54 89.781,37.073 90.142,39.892
  lines w0.254: 74.175,155.002 74.175,155.627
Mechanical 2:
  lines w0.254: 58.675,26.55 158.675,26.55 158.675,126.55 58.675,126.55 58.675,26.55
Mechanical 4:
  lines w0.254: 106.3,70.525 133.6,70.525 133.6,97.825 106.3,97.825 106.3,70.525 ; 123.725,85.625 133.565,85.625 133.565,97.625 123.725,97.625 123.725,85.625

## Dimensions
58.675,126.55 to 58.675,26.55 on Top Paste

## Text inside footprints (layer, text, board x,y; h text height)
J1: Bottom 3D Body "PCB EDGE" at 104.715,27.97 h0.61